# Altium PCB DRS4-PCB.PcbDoc (part 8 of 15)
Units mil, origin at the board's own origin, x right, y up, seen from the top; angles counter-clockwise.
Board outline 12350 x 7411.06 mil, 12 copper layers (Top Layer, Ground Layer 2, Signal Layer 3, Signal Layer 4, Ground Layer 5, Power Layer 6, Ground Layer 7, Ground Layer 8, Power Layer 9, Power Layer 10, Ground Layer 11, Bottom Layer), stack 61.6 mil thick; 1411 components, 1117 nets, 4255 pads, 2550 vias.
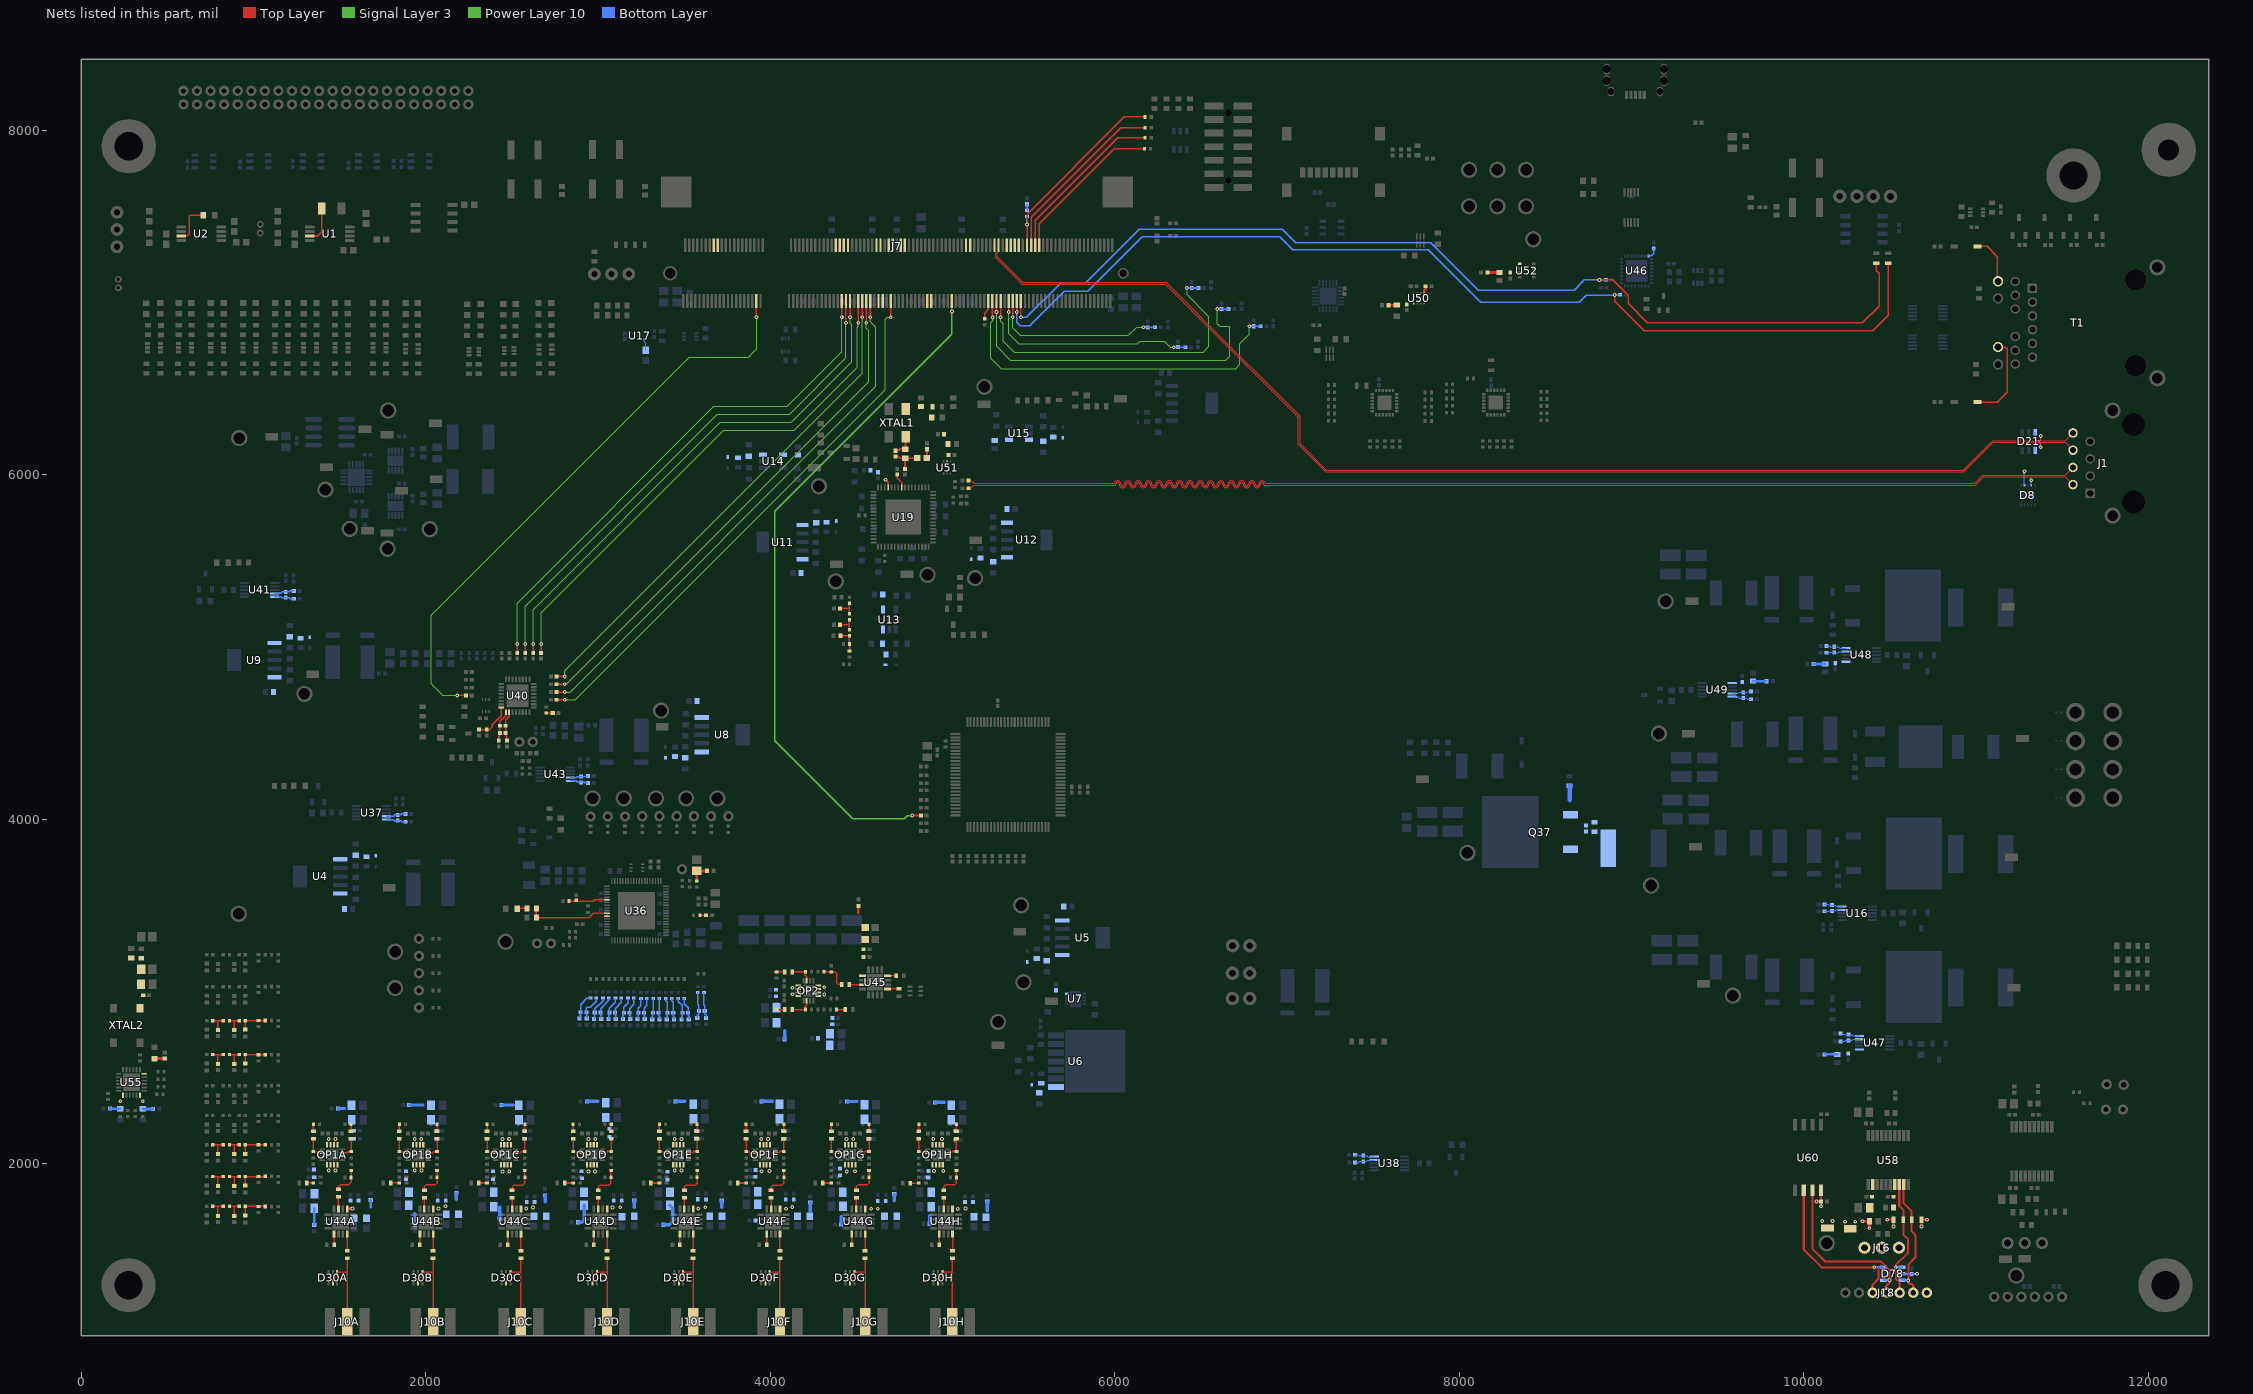
[diagram p18: the nets of this part, all layers, seen from the top]

## Via types
v1: diameter 21.65, hole 10, Top Layer to Bottom Layer, 2413 vias
v2: diameter 20, hole 10, Top Layer to Bottom Layer, 123 vias
v3: diameter 19, hole 8, Top Layer to Bottom Layer, 12 vias
v4: diameter 27.56, hole 10, Top Layer to Bottom Layer, 1 vias
v5: diameter 21.65, hole 10, Top Layer to Bottom Layer, tented top, 1 vias

## Nets (pads, with @x,y where several pads share a name; then routed paths per layer and width w, separated by ;. In a path a pad name is that pad's centre, name@x,y a point inside that pad or via, vN(x,y) a via of type N, cw(c..) or ccw(c..) an arc to the next point about the centre after c; other vN are vias at no path point) (continued)
IO_B34_L17_Y19_N: J7.67 R139.2 | length 3072.8
  Top Layer w7.87: R139.2@2531,4965.58 v1(2531,5017.04) ; v1(4415.04,6913.39) 4415.04,6921.61 J7.67@4415.05,7008.1
  Power Layer 10 w6.88: v1(2531,5017.04) 2531,5255.12 3672.01,6396.13 4098.6,6396.13 4415.04,6712.57 v1(4415.04,6913.39)
IO_B34_L19_R17_N: J7.37 R147.2 | length 3434.2
  Top Layer w7.87: v1(2181.4,4718.46) R147.2@2232.86,4718.46 ; v1@3919.02,6913.39 J7.37@3919.01,7008.12
  Power Layer 10 w6.88: v1(2181.4,4718.46) 2099.17,4718.46 2030.1,4787.52 2030.1,5182.85 2110.5,5263.25 3530.26,6683 3870.74,6683 3919.89,6732.16 v1(3919.89,6913.39)
IO_B34_L21_V17_P: J7.16
IO_B34_L21_V18_N: J7.18
IO_B34_L22_W18_P: J7.69 R138.2 | length 3054.4
  Top Layer w7.87: R138.2@2577.09,4965.58 v1(2577.09,5017.04) ; v1(4438.66,6881.89) J7.69@4438.67,7004.94
  Power Layer 10 w6.88: v1(2577.09,5017.04) 2577.09,5236.04 3691.1,6350.05 4111.2,6350.05 4438.66,6677.51 v1@4438.66,6879.76
IO_B34_L22_W19_N: J7.71 R137.2 | length 3053.8
  Top Layer w7.87: R137.2@2623.43,4965.58 v1(2623.43,5017.04) ; v1(4462.28,6913.39) J7.71@4462.28,7008.12
  Power Layer 10 w6.88: v1(2623.43,5017.04) 2623.43,5216.84 3710.3,6303.7 4121.48,6303.7 4472.77,6654.99 4472.77,6868.38 4462.28,6878.87 v1(4462.28,6913.39)
IO_B34_L23_N17_P: J7.68
IO_B34_L23_P18_N: J7.70
IO_B34_L24_P15_P: J7.64
IO_B34_L24_P16_N: J7.66
IO_B35_L3_N: D21.6 J1.8 J7.144 | length 7141.2
  Top Layer w5: J7.144@5324.41,7331.12 5324.41,7298.62 5317.6,7291.81 5317.6,7264.39 5465.85,7116.14 6297.82,7116.14 6682.39,6731.57 6875.1,6538.86 7074.88,6339.08 7074.88,6180.08 7228.31,6026.65 10925.19,6026.65 11095.9,6197.36 11375,6197.36 ; v1@11373.22,6225 v1(11375,6225) 11375,6197.36 ; J1.8@11562.2,6242.36 11517.2,6197.36 11375,6197.36
  Bottom Layer w6.73: D21.6@11342.37,6246.92 11342.36,6203.58 11346.3,6199.64 11360.26,6199.64 11361.53,6198.37 11371.06,6198.37 11375,6202.31 v1(11375,6225)
IO_B35_L3_P: D21.1 J1.6 J7.142 | length 7162
  Top Layer w5: J7.142@5300.79,7331.12 5300.79,7298.62 5307.6,7291.81 5307.6,7260.25 5461.71,7106.14 6293.68,7106.14 6678.86,6720.96 6870.96,6528.86 7064.88,6334.94 7064.88,6175.94 7224.17,6016.65 10929.34,6016.65 11100.05,6187.36 11373.22,6187.36 ; v1@11375,6165.59 v1(11375,6160) 11373.22,6161.78 11373.22,6187.36 ; J1.6@11562.2,6142.36 11517.2,6187.36 11373.22,6187.36
  Bottom Layer w6.73: D21.1@11342.35,6140.62 11342.35,6183.95 11346.3,6187.9 11355.41,6187.9 11356.67,6186.63 11371.06,6186.63 11375,6182.69 v1(11375,6160)
IO_B35_L7_M19_P: J7.79 R132.2 | length 3012.7
  Top Layer w7.87: R132.2@2759.25,4783.3 v1(2805.58,4783.3) ; v1(4556.77,6881.89) J7.79@4556.76,7008.12
  Power Layer 10 w6.88: v1(2805.58,4783.3) 2814.53,4783.3 4569.95,6538.73 4569.95,6837.24 4556.77,6850.42 v1(4556.77,6881.89)
IO_B35_L7_M20_N: J7.81 R130.2 | length 3093.7
  Top Layer w7.87: R130.2@2759.25,4738.02 v1(2805.58,4738.02) ; v1(4580.39,6913.39) J7.81@4580.38,7008.12
  Power Layer 10 w6.88: v1(2805.58,4738.02) 2837.37,4738.02 4608.82,6509.46 4608.82,6858.24 4580.39,6886.67 v1(4580.39,6913.39)
IO_B35_L9_L19_P: J7.91 R128.2 | length 3193.3
  Top Layer w7.87: R128.2@2759.25,4692.73 v1(2805.58,4692.73) ; v1(4698.5,6913.39) J7.91@4698.48,7008.12
  Power Layer 10 w6.88: v1(2805.58,4692.73) 2867.49,4692.73 4667.61,6492.86 4667.61,6901.7 4679.3,6913.39 v1(4698.5,6913.39)
IO_B35_L11_SRCC_L16_P: J7.128
IO_B35_L11_SRCC_L17_N: J7.130
IO_B35_L13_MRCC_H16_P: J7.85
IO_B35_L13_MRCC_H17_N: J7.87
IO_B35_L15_AD12_F20_N: J7.121 R333.1 | length 4030.8
  Top Layer w9.8: J7.121@5052.78,7008.12 5051.06,7009.83 5053.69,7012.46 v1(5053.69,6947.36)
  Top Layer w10: v1(4823.04,4021.49) R333.1@4873.15,4021.49
  Power Layer 10 w8: v1(4823.04,4021.49) 4794.5,4021.49 4776.44,4003.43 4478.15,4003.43 4025.76,4455.82 4025.76,5534.04 4025.76,5787.96 5053.69,6815.89 v1(5053.69,6947.36)
IO_B35_L17_AD5_H20_N: J7.111
IO_B35_L17_AD5_J20_P: J7.109
IO_B35_L20_AD6_J14_N: J7.98
IO_B35_L20_AD6_K14_P: J7.96
IO_B35_L21_N15_P: J7.75 R136.2 | length 3044
  Top Layer w7.87: R136.2@2668.72,4965.58 2668.72,5015.88 v1(2669.88,5017.04) ; v1(4509.53,6881.89) J7.75@4509.52,7008.12
  Power Layer 10 w6.88: v1(2669.88,5017.04) 2669.88,5197.6 3729.53,6257.26 4137.46,6257.26 4502.86,6622.66 4502.86,6857.17 4509.53,6863.84 v1(4509.53,6881.89)
IO_B35_L21_N16_N: J7.77 R134.2 | length 2936.4
  Top Layer w7.87: R134.2@2759.25,4828.59 v1(2805.58,4828.59) ; v1@4533.15,6913.39 J7.77@4533.15,7008.1
  Power Layer 10 w6.88: v1(2805.58,4828.59) 2805.58,4861.48 4533.15,6589.05 v1@4533.15,6908.35
  other v1: 4533.15,6913.39
IO_B35_L22_AD7_L14_P: J7.90
IO_B35_L22_AD7_L15_N: J7.92
IO_B35_L23_M14_P: J7.84
IO_B35_L23_M15_N: J7.86
IO_MIO40_B13_L16_W10: J7.139 R360.1 | length 111.5
  Top Layer w7.87: R360.1@5243.98,6905.5 5243.97,6938.09 5265.37,6959.49 J7.139@5265.36,7008.12
IO_MIO41_B13_L16_W9: J7.141 R158.2 R369.2 | length 2129.3
  Top Layer w7.87: v1@5289.23,6913.07 J7.141@5289.23,7007.79
  Signal Layer 3 w7.25: v1(5291.17,6912.5) 5291.17,6893.36 5279.89,6882.07 5279.89,6675.97 5340.29,6615.57 6701.02,6615.57 6725.73,6640.28 6725.73,6759.98 6781.27,6815.51 v1(6781.27,6862.26)
  Bottom Layer w10: v1(6781.27,6862.26) v1@6781.44,6862.09 ; v1@6782.19,6861.34 v1@6781.44,6862.09 ; R369.2@6805.93,6861.34 R369.2@6806.85,6860.42 ; R158.2@6846.07,6861.93 6845.9,6862.09 v1@6781.44,6862.09
IO_MIO42_B13_L18_W11: J7.143 R370.2 R372.2 | length 2069.8
  Top Layer w7.87: v1@5312.5,6937.5 5312.61,6937.61 J7.143@5312.6,7008.12
  Signal Layer 3 w7.25: v1(5312.83,6945) 5312.83,6744.93 5393.86,6663.91 6644.57,6663.91 6667.01,6686.34 6667.01,6854.9 6659.65,6862.26 6607.82,6862.26 6594,6876.07 v1(6594,6961.48)
  Bottom Layer w7.87: R372.2@6618.91,6961.48 R370.2@6660.32,6961.48
  Bottom Layer w10: v1(6594,6961.48) R372.2@6618.91,6961.48
IO_MIO43_B13_L18_Y11: J7.145 R373.2 R375.2 | length 1932.2
  Top Layer w7.87: v1@5336.47,6913.07 J7.145@5336.47,7007.79
  Signal Layer 3 w7.25: v1(5336.46,6913.74) 5336.46,6891.66 5350.8,6877.31 5350.8,6775.87 5414.96,6711.72 6513.08,6711.72 6546.24,6744.89 6546.24,6916.9 6418.78,7044.36 6418.78,7080.65 v1@6417.58,7081.85
  Bottom Layer w10: v1(6417.58,7083.94) R375.2@6445.63,7083.94 R373.2@6485.24,7083.93
IO_MIO44_B13_L14_SRCC_Y9: J7.149 R376.2 R378.2 | length 1269.7
  Top Layer w7.87: v1@5383.47,6937.61 J7.149@5383.46,7008.12
  Signal Layer 3 w7.25: v1(5383.7,6945) 5383.7,6816.87 5440.92,6759.65 6130.48,6759.65 6146.71,6775.87 6286.03,6775.87 6322.47,6739.44 v1(6341.78,6739.44)
  Bottom Layer w10: v1(6341.78,6739.44) 6366.68,6739.44 6367.36,6740.12 R376.2@6409.03,6740.11
IO_MIO45_B13_L14_Y8: J7.151 R379.2 R381.2 | length 1018
  Top Layer w7.87: v1@5407.33,6913.07 J7.151@5407.33,7007.79
  Signal Layer 3 w7.25: v1(5407.32,6913.74) 5407.32,6852.37 5451.09,6808.61 6078.61,6808.61 6125.52,6855.52 v1(6166.15,6855.52)
  Bottom Layer w10: v1(6166.15,6855.52) R381.2@6191.06,6855.52 R379.2@6231.65,6855.52
IO_MIO46_B13_L19_T5: J7.153 R190.2 R191.2 | length 6065.8
  Top Layer w7.87: v1@5430.71,6937.61 J7.153@5430.7,7008.12 ; v1(8901.29,7042.66) 8901.29,7007.02 9073.68,6834.64 10400.29,6834.64 10489.99,6924.34 R190.2@10489.99,7227.97
  Bottom Layer w7.87: v1@5430.71,6945 5430.71,6886.02 5451.56,6865.17 5506.1,6865.17 5707.28,7066.35 5841.37,7066.35 6157.6,7382.57 6955.96,7382.57 7031.67,7306.87 7819.28,7306.87 8123.76,7002.39 8694.69,7002.39 8734.96,7042.66 v1(8901.29,7042.66) 8903,7044.37 R191.2@8932.66,7044.37
  other v1: 5430.94,6945
IO_MIO47_B13_L19_U5: J7.155 R189.2 R192.2 | length 5919.5
  Top Layer w7.87: v1@5453.75,6920 5453.75,7007.52 J7.155@5454.32,7008.12 ; v1(8813,7130.5) 8889.55,7130.5 8979.56,7040.49 8979.56,6994.63 9091.69,6882.5 10340.02,6882.5 10436.26,6978.74 10436.26,7169.85 10421.08,7185.03 R189.2@10421.08,7227.97
  Bottom Layer w7.87: v1@5453.75,6920 5460.92,6912.83 5486.36,6912.83 5687.54,7114.01 5831.06,7114.01 6140.62,7423.57 6972.94,7423.57 7048.64,7347.86 7833.38,7347.86 8109.39,7071.85 8666.38,7071.85 8725.65,7131.12 8813,7131.12 R192.2@8851.92,7131.12
  other v1: 5454.57,6913.74
IO_MIO48_B13_L11_SRCC_U7: J7.148
IO_MIO49_B13_L11_V7: J7.150
IO_MIO50_B13_L12_MRCC_T9: J7.152
IO_MIO51_B13_L12_U10: J7.154
JTAG_TCK: J7.158 R39.1 R342.1 | length 1151.7
  Top Layer w7.87: J7.158@5490,7330.79 5490,7331.12 5490,7513.34 6053.75,8077.1 R39.1@6175.73,8077.09
  Bottom Layer w7.8: v1@5488.9,7453.63 v1(5490,7452.53) R342.1@5490,7499.68 R342.1@5490.13,7498.47
JTAG_TDI: J7.160 R42.1 | length 1041
  Top Layer w7.87: J7.160@5513.37,7331.12 5513.32,7331.17 5513.32,7494.54 6032.66,8013.88 R42.1@6175.73,8013.86
JTAG_TDO: J7.164 R41.1 | length 917.5
  Top Layer w7.87: J7.164@5560.61,7331.12 5560.8,7331.28 5560.8,7457.77 5995.97,7892.94 R41.1@6171.31,7892.94
JTAG_TMS: J7.162 R40.1 | length 982.8
  Top Layer w7.87: J7.162@5536.99,7331.12 5537.64,7331.73 5537.64,7477.52 6015.65,7955.53 R40.1@6175.73,7955.53
LED1_Green-: D83.2 T1.13 | length 284.1
  Top Layer w7.87: D83.2@11007.83,7324.93 11064.32,7324.93 11123.48,7265.77 T1.13@11123.48,7121.86
LED2_Green-: D84.2 T1.15 | length 504.3
  Top Layer w7.87: D84.2@11007.83,6421.34 11121.75,6421.34 11179.13,6478.72 11179.13,6731.88 11169.95,6741.05 T1.15@11126.83,6741.05
LT_3V3: C347.2 C348.1 C359.2 C360.1 D78.5 J16.2 R325.1 R326.1 TP89.1 U58.17 U60.8 | length 356
  Top Layer w11.81: v1(10073.15,1781.14) C348.1@10099.13,1781.14 ; v1(10099.13,1752.78) 10100.04,1753.68 C348.1@10100.04,1781.14 C348.1@10099.13,1781.14 ; U60.8@10099.13,1846.97 C348.1@10099.13,1781.14 ; v1(10484.28,1675.33) 10519.59,1675.33 R326.1@10519.8,1675.12 v1(10519.8,1635.75) ; v1(10683.01,1635.75) R325.1@10683.01,1675.12 v1(10714.63,1675.12)
  Bottom Layer w11.81: D78.5@10568.93,1361.03 10625.05,1361.03 C347.2@10626.73,1359.34 10627.77,1360.38 v1(10656.34,1360.38)
  other v1: 10105.71,1667.07 10165.9,1667.07
LT_3V3_VISO: C349.1 C352.2 J16.3 R330.1 TP91.1 U58.12 | length 81
  Top Layer w15.75: v1(10340.08,1665.28) 10340.67,1665.87 R330.1@10380.43,1665.87 10380.43,1627.09 v1(10379.25,1625.91)
  other v1: 10238.34,1663.07 10298.53,1663.07
LT_DAC_C\L\R\: D78.1 J18.4 U60.7 | length 1015.4
  Top Layer w11.81: U60.7@10049.13,1846.97 10049.13,1506.31 10122.33,1433.11 10446.28,1433.11 10497.25,1382.14 v1(10497.25,1324.26) 10497.25,1310.17 10476.28,1289.2 10476.28,1251.91 J18.4@10477.28,1250.91
  Bottom Layer w11.81: D78.1@10462.63,1323.63 10493.61,1323.63 10494.24,1324.26 v1(10497.25,1324.26)
LT_DAC_I\R\Q\: D78.3 J18.5 U60.6 | length 1030.6
  Top Layer w11.81: U60.6@9999.13,1846.97 9999.13,1501.79 10102.38,1398.54 10419.53,1398.54 10433.72,1384.35 10433.72,1333.44 10398.54,1298.26 J18.5@10398.54,1250.91
  Bottom Layer w11.81: v1(10408.59,1398.85) 10462.21,1398.85 D78.3@10462.63,1398.43
LT_EXT_3V3: J16.1 J18.1
LT_SCL: D78.6 J18.2 R325.2 U58.19 | length 734.7
  Top Layer w11.81: U58.19@10579.06,1878.66 10579.06,1770.54 10625.92,1723.68 R325.2@10625.92,1675.12 10625.92,1608.87 10647.42,1587.37 10647.42,1455.32 10605.89,1413.78 v1(10605.89,1322.42) 10605.89,1306.01 10610.83,1301.06 10627.82,1301.06 10634.76,1294.12 J18.2@10634.76,1250.91
  Bottom Layer w11.81: D78.6@10568.93,1323.63 10599.85,1323.63 10602.26,1326.05 v1(10605.89,1322.42)
LT_SDA: D78.4 J18.3 R326.2 U58.18 | length 734.3
  Top Layer w11.81: J18.3@10552.22,1260.63 J18.3@10556.02,1256.83 ; U58.18@10553.46,1878.66 10553.46,1755.09 10576.9,1731.66 R326.2@10576.9,1675.12 10576.9,1588.56 10604.95,1560.51 10604.95,1484.19 10533.46,1412.7 v1(10533.46,1398.26) 10533.46,1333.27 10556.02,1310.71 J18.3@10556.02,1256.83 ; J18.3@10556.02,1250.91 J18.3@10556.02,1256.83 ; J18.3@10559.83,1253.02 J18.3@10556.02,1256.83
  Bottom Layer w11.81: v1(10533.46,1398.26) 10540.34,1398.26 10540.51,1398.43 D78.4@10568.93,1398.43
MCLK_N: C88.1 D8.7 J1.4 | length 7055.1
  Top Layer w5: C88.1@5149.57,5966.68 5163.89,5966.68 5181.53,5949.04 5995.96,5949.04 cw(c6015.32,5944.04) 6035.32,5944.04 ccw(c6045.32,5944.04) 6055.32,5944.04 cw(c6075.32,5944.04) 6095.32,5944.04 ccw(c6105.32,5944.04) 6115.32,5944.04 cw(c6135.32,5944.04) 6155.32,5944.04 ccw(c6165.32,5944.04) 6175.32,5944.04 cw(c6195.32,5944.04) 6215.32,5944.04 ccw(c6225.32,5944.04) 6235.32,5944.04 cw(c6255.32,5944.04) 6275.32,5944.04 ccw(c6285.32,5944.04) 6295.32,5944.04 cw(c6315.32,5944.04) 6335.32,5944.04 ccw(c6345.32,5944.04) 6355.32,5944.04 cw(c6375.32,5944.04) 6395.32,5944.04 ccw(c6405.32,5944.04) 6415.32,5944.04 cw(c6435.32,5944.04) 6455.32,5944.04 ccw(c6465.32,5944.04) 6475.32,5944.04 cw(c6495.32,5944.04) 6515.32,5944.04 ccw(c6525.32,5944.04) 6535.32,5944.04 cw(c6555.32,5944.04) 6575.32,5944.04 ccw(c6585.32,5944.04) 6595.32,5944.04 cw(c6615.32,5944.04) 6635.32,5944.04 ccw(c6645.32,5944.04) 6655.32,5944.04 cw(c6675.32,5944.04) 6695.32,5944.04 ccw(c6705.32,5944.04) 6715.32,5944.04 cw(c6735.32,5944.04) 6755.32,5944.04 ccw(c6765.32,5944.04) 6775.32,5944.04 cw(c6795.32,5944.04) 6815.32,5944.04 ccw(c6825.32,5944.04) 6835.32,5944.04 cw(c6855.32,5944.04) 6874.69,5949.04 10991.16,5949.04 11039.48,5997.36 11517.2,5997.36 J1.4@11562.2,6042.36 ; 11280.39,5998.06 v1(11280.39,6019.53)
  Bottom Layer w6.73: D8.7@11280.39,5937.98 v1(11280.39,6019.53)
MCLK_P: C86.1 D8.9 J1.2 | length 7003.9
  Top Layer w5: C86.1@5149.57,5921.4 5163.89,5921.4 5181.53,5939.04 6000.32,5939.04 ccw(c6000.32,5944.04) 6005.32,5944.04 cw(c6015.32,5944.04) 6025.32,5944.04 ccw(c6045.32,5944.04) 6065.32,5944.04 cw(c6075.32,5944.04) 6085.32,5944.04 ccw(c6105.32,5944.04) 6125.32,5944.04 cw(c6135.32,5944.04) 6145.32,5944.04 ccw(c6165.32,5944.04) 6185.32,5944.04 cw(c6195.32,5944.04) 6205.32,5944.04 ccw(c6225.32,5944.04) 6245.32,5944.04 cw(c6255.32,5944.04) 6265.32,5944.04 ccw(c6285.32,5944.04) 6305.32,5944.04 cw(c6315.32,5944.04) 6325.32,5944.04 ccw(c6345.32,5944.04) 6365.32,5944.04 cw(c6375.32,5944.04) 6385.32,5944.04 ccw(c6405.32,5944.04) 6425.32,5944.04 cw(c6435.32,5944.04) 6445.32,5944.04 ccw(c6465.32,5944.04) 6485.32,5944.04 cw(c6495.32,5944.04) 6505.32,5944.04 ccw(c6525.32,5944.04) 6545.32,5944.04 cw(c6555.32,5944.04) 6565.32,5944.04 ccw(c6585.32,5944.04) 6605.32,5944.04 cw(c6615.32,5944.04) 6625.32,5944.04 ccw(c6645.32,5944.04) 6665.32,5944.04 cw(c6675.32,5944.04) 6685.32,5944.04 ccw(c6705.32,5944.04) 6725.32,5944.04 cw(c6735.32,5944.04) 6745.32,5944.04 ccw(c6765.32,5944.04) 6785.32,5944.04 cw(c6795.32,5944.04) 6805.32,5944.04 ccw(c6825.32,5944.04) 6845.32,5944.04 cw(c6855.32,5944.04) 6865.32,5944.04 ccw(c6870.32,5944.04) 6870.32,5939.04 10995.3,5939.04 11043.62,5987.36 11517.2,5987.36 J1.2@11562.2,5942.36 ; v1(11319.76,5968.34) 11319.76,5986.71
  Bottom Layer w6.73: D8.9@11319.76,5937.98 v1(11319.76,5968.34)
NetC11_1: C11.1 U4.5
NetC13_2: C13.2 D5.2 R7.2 U4.1
NetC15_2: C15.2 D6.2 R8.2 U5.1
NetC16_1: C16.1 U5.5
NetC20_2: C20.2 D7.2 R9.2 U6.1
NetC23_2: C23.2 U7.4
NetC26_2: C26.2 R342.2 | length 36.2
  Bottom Layer w7.8: R342.2@5490,7535.12 C26.2@5490,7571.35
NetC28_1: C28.1 U8.5
NetC30_2: C30.2 D9.2 R11.2 U8.1
NetC32_1: C32.1 U9.5
NetC34_2: C34.2 D10.2 R12.1 U9.1
NetC39_2: C39.2 D11.2 R15.2 U11.1
NetC40_1: C40.1 U11.5
NetC43_1: C43.1 U12.5
NetC44_2: C44.2 D12.2 R16.2 U12.1
NetC47_2: C47.2 D13.2 R17.2 U13.3
NetC48_1: C48.1 U13.4
NetC51_2: C51.2 D14.2 R18.2 U14.3
NetC52_1: C52.1 U14.4
NetC54_1: C54.1 U15.4
NetC56_2: C56.2 D15.2 R19.1 U15.3
NetC59_1: C59.1 R24.2 U16.10 | length 107.6
  Bottom Layer w5: R24.2@10119.51,3505.46 10119.85,3505.12 10141.73,3505.12 10145.28,3501.57 C59.1@10162.7,3501.57 10178.44,3501.57 10186.67,3493.34 U16.10@10222.07,3493.34
NetC59_2: C59.2 R20.2 U16.9 | length 108.2
  Bottom Layer w5: R20.2@10119.4,3466.24 10121.47,3464.17 10143.11,3464.17 10147.05,3468.11 C59.2@10162.7,3468.11 10163.58,3467.22 10181.69,3467.22 10188.13,3473.66 U16.9@10222.07,3473.66
NetC60_1: C60.1 Q37.1 R22.1 R27.2 | length 83.3
  Bottom Layer w15.75: 8639.22,4111.02 8639.97,4111.78
  Bottom Layer w27.56: 8639.97,4111.78 R27.2@8639.97,4194
NetC60_2: C60.2 F5.2 Q37.3 R22.2
NetC85_2: C85.2 FB7.2 U19.13 | length 51
  Top Layer w7.87: v1(4668.53,5971.29) 4683.38,5956.45 U19.13@4683.38,5926.47
NetC90_2: C90.2 U19.9 | length 84.4
  Top Layer w9.84: C90.2@4736.53,6000.3 4736.53,5980.65 4762.12,5955.06 U19.9@4762.12,5926.47
NetC91_1: C91.1 C133.1 R62.2 R63.2 | length 192.4
  Top Layer w9.84: C133.1@4725.51,6105.61 4742.4,6105.61 4752.05,6095.96 R62.2@4781.81,6095.96 ; C91.1@4781.81,6033.76 R62.2@4781.81,6095.96 ; R63.2@4851.68,6095.96 R62.2@4781.81,6095.96
NetC92_1: C92.1 L1.1 R61.1 XTAL1.8
NetC126_1: C126.1 R362.2 U36.63 | length 221.4
  Top Layer w7.87: R362.2@2831.83,3525.39 2832.18,3525.05 2871.67,3525.05 2971.82,3525.05 2978.55,3531.78 U36.63@3050.28,3531.78
NetC128_1: C128.1 U1.3 | length 214.2
  Top Layer w9.84: U1.3@1325.88,7386.22 1371.73,7386.22 1395.63,7410.12 C128.1@1395.63,7544.69
NetC131_2: C131.2 U2.3 | length 239
  Top Layer w7.87: U2.3@580.3,7386.22 615.72,7386.2 625.54,7396.03 625.54,7500.61 630.16,7505.22 C131.2@708.71,7505.22
NetC133_2: C133.2 R62.1 XTAL1.5 | length 132.1
  Top Layer w9.84: R62.1@4784.89,6150.22 XTAL1.5@4784.89,6218.81
  Top Layer w11.81: C133.2@4725.51,6140.26 4744.57,6140.26 4754.53,6150.22 R62.1@4784.89,6150.22
NetC134_2: C134.2 R63.1 | length 51
  Top Layer w11.81: R63.1@4908.77,6095.98 4909.46,6096.68 C134.2@4909.46,6146.66
NetC135_1: C135.1 R105.2 U37.10 | length 117.4
  Bottom Layer w7.87: U37.10@1772.09,3997.45 1811.81,3997.45 1820.85,3988.42 1833.27,3988.42 C135.1@1836.08,3991.23 1854.19,3991.23 1861.54,3983.88 1880.64,3983.88 R105.2@1881.25,3984.49
NetC135_2: C135.2 R103.2 U37.9 | length 116.3
  Bottom Layer w7.87: U37.9@1772.09,4017.14 1813.02,4017.14 1820.58,4024.7 C135.2@1836.08,4024.7 1853.67,4024.7 1860.57,4031.6 1879.89,4031.6 R103.2@1881.66,4029.83
NetC138_2: C138.2 FB9.2 R109.2 | length 115.8
  Top Layer w15.75: R109.2@3572.98,3641.98 C138.2@3572.98,3699.9 ; C138.2@3574.67,3699.9 FB9.2@3632.59,3699.9
NetC139_2: C139.2 R111.1 | length 57.6
  Top Layer w5: C139.2@2529.41,3481.25 cw(c2530.28,3481.25) C139.2@2530.28,3482.12
  Top Layer w7.87: C139.2@2530.28,3482.12 R111.1@2586.51,3482.12
NetC140_2: C140.2 R111.2 U36.68 U36.69 | length 487.5
  Top Layer w7.87: R111.2@2641.63,3482.12 C140.2@2641.63,3428.97 2946.12,3428.97 2970.19,3453.04 U36.68@3050.28,3453.04 U36.69@3050.28,3437.29
NetC141_2: C141.2 R115.2 | length 28.1
  Top Layer w7.87: R115.2@3599.06,3442.09 C141.2@3627.11,3442.09
NetC145_1: C145.1 R120.2 U38.10 | length 117.8
  Bottom Layer w5: R120.2@7392.74,2052.1 7413.59,2052.1 7419.13,2046.56 C145.1@7441.05,2046.56 7461.07,2046.56 7466.95,2040.69 U38.10@7505.78,2040.69
NetC145_2: C145.2 R117.2 U38.9 | length 117.2
  Bottom Layer w5: R117.2@7394.43,2006.81 7416.16,2006.81 7422.45,2013.1 C145.2@7441.05,2013.1 7461.02,2013.1 7468.92,2021 U38.9@7505.78,2021
NetC169_2: C169.2 C172.1 C173.1 U40.26 | length 177.5
  Top Layer w7.87: C169.2@2470.78,4456.19 2470.78,4479.19 2463.29,4486.67 C173.1@2463.29,4500.89 C172.1@2463.29,4542.01 2463.29,4577.09 2483.5,4597.3 U40.26@2483.5,4622.23
NetC170_2: C170.2 R126.1 | length 36.9
  Top Layer w7.87: R126.1@2698.98,4616.23 2735.55,4616.23 C170.2@2735.8,4615.98
NetC171_1: C171.1 R133.2 U41.10 | length 115
  Bottom Layer w7.87: U41.10@1122.61,5291.34 1157.11,5291.34 1162.12,5286.33 1186.48,5286.33 C171.1@1186.59,5286.44 1206.43,5286.44 1212.7,5280.16 R133.2@1232.86,5280.16
NetC171_2: C171.2 R129.2 U41.9 | length 116.2
  Bottom Layer w7.87: U41.9@1122.61,5311.02 1157.66,5311.02 1166.54,5319.9 C171.2@1186.59,5319.9 1205.73,5319.9 1211.27,5325.45 R129.2@1232.86,5325.45
NetC172_2: C172.2 C173.2 C174.2 U40.25 | length 183.6
  Top Layer w7.87: C174.2@2423.38,4456.19 2422.39,4457.17 2422.39,4479.25 2429.83,4486.69 C173.2@2429.83,4500.89 C172.2@2429.83,4542.01 2429.83,4568.04 2463.82,4602.03 U40.25@2463.82,4622.23
NetC175_1: C175.1 C176.1 U40.24 | length 218.3
  Top Layer w7.87: C175.1@2308.32,4519.93 C176.1@2353.6,4519.93 2370.81,4519.93 2386.67,4535.8 2386.67,4548.72 2438.22,4600.26 U40.24@2438.22,4647.83
NetC179_1: C179.1 R151.2 U43.10 | length 108.7
  Bottom Layer w7.87: U43.10@2839.14,4221.84 2872.01,4221.84 2880.44,4213.42 C179.1@2900.1,4213.42 2902.97,4216.29 2915.89,4216.29 2921.62,4210.56 R151.2@2940.82,4210.56
NetC179_2: C179.2 R149.2 U43.9 | length 106
  Bottom Layer w7.87: U43.9@2839.14,4241.53 2873.39,4241.53 2877.34,4245.48 2898.69,4245.48 C179.2@2900.1,4246.88 2917.65,4246.88 2921.51,4250.74 2940.41,4250.74 R149.2@2941.09,4251.42
NetC199A_1: C199A.1 C201A.1 C203A.2 C206A.2 FB17A.2 OP1A.5 OP1A.6 OP1A.7 OP1A.8 | length 40.8
  Bottom Layer w15.75: FB17A.2@1488.42,2320.61 1528.6,2320.61 1529.07,2320.15
  other v1: 1436.19,2142.91 1474.96,2142.91
NetC199B_1: C199B.1 C201B.1 C203B.2 C206B.2 FB17B.2 OP1B.5 OP1B.6 OP1B.7 OP1B.8 | length 78.6
  Bottom Layer w19.68: FB17B.2@1902.63,2340.59 1981.25,2340.59
  other v1: 1934.94,2142.91 1973.71,2142.91